# KiCad board Eclipse65.kicad_pcb (continued)
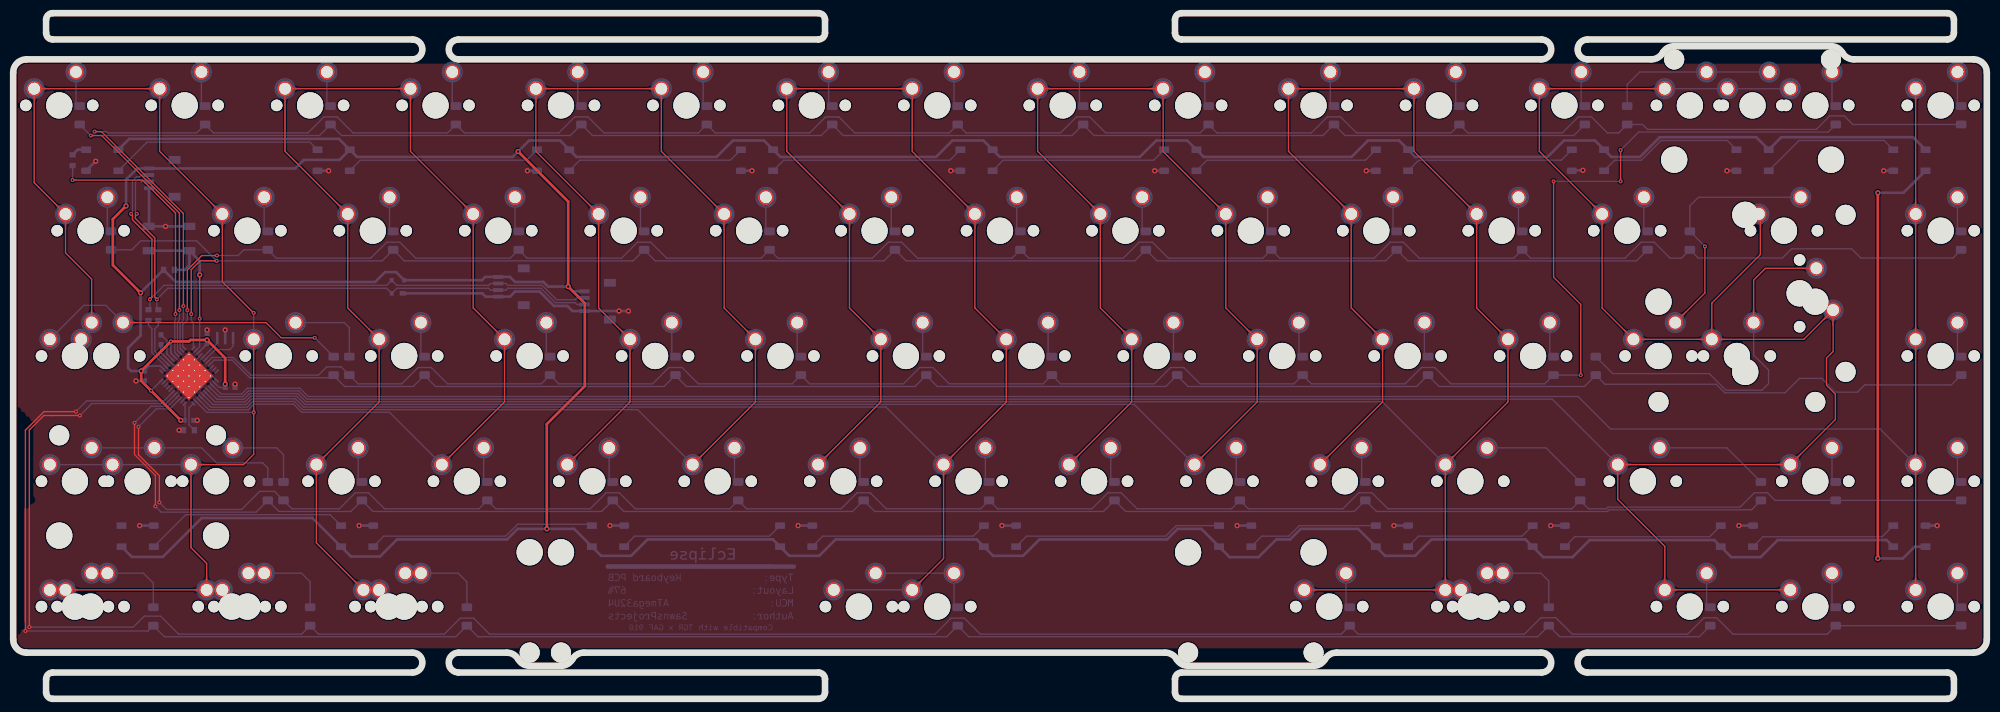
[diagram p0: board, top side]
## Copper pours and planes (outline as drawn; the poured copper is in the pictures) (continued)
Net-(D14-Pad2) on Bottom: 245.03,91.31 244.59,90.39 245.13,89.82 245.67,90.39 245.23,91.31
Net-(D14-Pad2) on Bottom: 260.38,95.4 260.24,95.41 260.12,95.42 260,95.43 259.89,95.44 259.78,95.47 259.69,95.49 259.6,95.52 259.51,95.55 259.43,95.59 259.36,95.63 259.29,95.67 259.22,95.72 259.15,95.77 259.09,95.82 259.03,95.87 258.97,95.92 258.66,96.21 258.59,96.27 258.52,96.33 258.45,96.39 258.37,96.45 258.28,96.51 258.2,96.57 258.1,96.63 258,96.69 257.89,96.74 256.39,95.3 257.89,93.86 258,93.92 258.1,93.98 258.2,94.04 258.28,94.1 258.37,94.16 258.45,94.22 258.52,94.28 258.59,94.34 258.66,94.4 258.97,94.69 259.03,94.74 259.09,94.79 259.15,94.84 259.22,94.89 259.29,94.94 259.36,94.98 259.43,95.02 259.51,95.06 259.6,95.09 259.69,95.12 259.78,95.14 259.89,95.17 260,95.18 260.12,95.19 260.24,95.2 260.38,95.2
Net-(D14-Pad2) on Bottom: 259.58,95.4 259.48,95.41 259.38,95.41 259.29,95.42 259.21,95.43 259.13,95.45 259.06,95.47 258.99,95.49 258.93,95.51 258.87,95.54 258.82,95.57 258.76,95.6 258.71,95.63 258.66,95.67 258.61,95.7 258.19,96.08 258.13,96.13 258.07,96.17 258.01,96.21 257.94,96.26 257.87,96.3 257.79,96.34 257.71,96.38 256.59,95.3 257.71,94.22 257.79,94.27 257.87,94.31 257.94,94.35 258.01,94.4 258.07,94.44 258.13,94.48 258.19,94.53 258.61,94.91 258.66,94.94 258.71,94.98 258.76,95.01 258.82,95.04 258.87,95.07 258.93,95.1 258.99,95.12 259.06,95.14 259.13,95.16 259.21,95.18 259.29,95.19 259.38,95.2 259.48,95.2 259.58,95.2
Net-(D14-Pad2) on Bottom: 264.33,95.2 264.43,95.2 264.52,95.2 264.61,95.19 264.69,95.18 264.77,95.16 264.84,95.14 264.91,95.12 264.97,95.1 265.03,95.07 265.09,95.04 265.14,95.01 265.19,94.98 265.24,94.94 265.29,94.91 265.72,94.53 265.77,94.48 265.83,94.44 265.9,94.4 265.96,94.35 266.03,94.31 266.11,94.27 266.19,94.22 267.32,95.3 266.19,96.38 266.11,96.34 266.03,96.3 265.96,96.26 265.9,96.21 265.83,96.17 265.77,96.13 265.72,96.08 265.29,95.7 265.24,95.67 265.19,95.63 265.14,95.6 265.09,95.57 265.03,95.54 264.97,95.51 264.91,95.49 264.84,95.47 264.77,95.45 264.69,95.43 264.61,95.42 264.52,95.41 264.43,95.41 264.33,95.4
Net-(D14-Pad2) on Bottom: 263.53,95.2 263.66,95.2 263.79,95.19 263.91,95.18 264.02,95.17 264.12,95.14 264.22,95.12 264.31,95.09 264.39,95.06 264.47,95.02 264.55,94.98 264.62,94.94 264.69,94.89 264.75,94.84 264.81,94.79 264.88,94.74 264.94,94.69 265.24,94.4 265.31,94.34 265.38,94.28 265.46,94.22 265.54,94.16 265.62,94.1 265.71,94.04 265.81,93.98 265.91,93.92 266.02,93.86 267.52,95.3 266.02,96.74 265.91,96.69 265.81,96.63 265.71,96.57 265.62,96.51 265.54,96.45 265.46,96.39 265.38,96.33 265.31,96.27 265.24,96.21 264.94,95.92 264.88,95.87 264.81,95.82 264.75,95.77 264.69,95.72 264.62,95.67 264.55,95.63 264.47,95.59 264.39,95.55 264.31,95.52 264.22,95.49 264.12,95.47 264.02,95.44 263.91,95.43 263.79,95.42 263.66,95.41 263.53,95.4
Net-(D15-Pad2) on Bottom: 276.34,92.11 276.34,92.25 276.35,92.38 276.36,92.5 276.38,92.61 276.4,92.71 276.43,92.81 276.46,92.9 276.49,92.98 276.53,93.06 276.56,93.14 276.61,93.21 276.65,93.28 276.7,93.34 276.75,93.4 276.8,93.47 276.86,93.53 277.15,93.83 277.21,93.9 277.27,93.97 277.33,94.05 277.39,94.13 277.45,94.21 277.51,94.3 277.57,94.4 277.62,94.5 277.68,94.61 276.24,96.1 274.8,94.61 274.86,94.5 274.91,94.4 274.97,94.3 275.03,94.21 275.09,94.13 275.15,94.05 275.21,93.97 275.27,93.9 275.33,93.83 275.62,93.53 275.68,93.47 275.73,93.4 275.78,93.34 275.83,93.28 275.87,93.21 275.92,93.14 275.95,93.06 275.99,92.98 276.02,92.9 276.05,92.81 276.08,92.71 276.1,92.61 276.12,92.5 276.13,92.38 276.14,92.25 276.14,92.11
Net-(D15-Pad2) on Bottom: 276.34,92.91 276.34,93.02 276.35,93.11 276.36,93.2 276.37,93.28 276.38,93.36 276.4,93.43 276.42,93.5 276.45,93.56 276.47,93.62 276.5,93.68 276.53,93.73 276.57,93.78 276.6,93.83 276.64,93.88 277.02,94.31 277.06,94.36 277.11,94.42 277.15,94.49 277.19,94.55 277.24,94.62 277.28,94.7 277.32,94.78 276.24,95.9 275.16,94.78 275.2,94.7 275.24,94.62 275.29,94.55 275.33,94.49 275.37,94.42 275.42,94.36 275.46,94.31 275.84,93.88 275.88,93.83 275.91,93.78 275.95,93.73 275.98,93.68 276.01,93.62 276.03,93.56 276.06,93.5 276.08,93.43 276.1,93.36 276.11,93.28 276.12,93.2 276.13,93.11 276.14,93.02 276.14,92.91
Net-(D16-Pad2) on Bottom: 202.52,15.91 202.52,16.05 202.53,16.18 202.54,16.3 202.56,16.41 202.58,16.51 202.61,16.61 202.64,16.7 202.67,16.78 202.71,16.86 202.75,16.94 202.79,17.01 202.83,17.08 202.88,17.14 202.93,17.2 202.98,17.27 203.04,17.33 203.33,17.63 203.39,17.7 203.45,17.77 203.51,17.85 203.57,17.93 203.63,18.01 203.69,18.1 203.75,18.2 203.81,18.3 203.86,18.41 202.42,19.9 200.98,18.41 201.04,18.3 201.09,18.2 201.15,18.1 201.21,18.01 201.27,17.93 201.33,17.85 201.39,17.77 201.45,17.7 201.51,17.63 201.8,17.33 201.86,17.27 201.91,17.2 201.96,17.14 202.01,17.08 202.05,17.01 202.1,16.94 202.14,16.86 202.17,16.78 202.21,16.7 202.23,16.61 202.26,16.51 202.28,16.41 202.3,16.3 202.31,16.18 202.32,16.05 202.32,15.91
Net-(D16-Pad2) on Bottom: 202.52,16.71 202.52,16.82 202.53,16.91 202.54,17 202.55,17.08 202.57,17.16 202.58,17.23 202.61,17.3 202.63,17.36 202.66,17.42 202.68,17.48 202.72,17.53 202.75,17.58 202.78,17.63 202.82,17.68 203.2,18.11 203.24,18.16 203.29,18.22 203.33,18.29 203.37,18.35 203.42,18.42 203.46,18.5 203.5,18.58 202.42,19.7 201.34,18.58 201.38,18.5 201.43,18.42 201.47,18.35 201.51,18.29 201.56,18.22 201.6,18.16 201.64,18.11 202.02,17.68 202.06,17.63 202.09,17.58 202.13,17.53 202.16,17.48 202.19,17.42 202.21,17.36 202.24,17.3 202.26,17.23 202.28,17.16 202.29,17.08 202.3,17 202.31,16.91 202.32,16.82 202.32,16.71
Net-(D17-Pad2) on Bottom: 14.4,73.06 14.41,73.2 14.41,73.33 14.43,73.45 14.44,73.56 14.46,73.66 14.49,73.76 14.52,73.85 14.55,73.93 14.59,74.01 14.63,74.09 14.67,74.16 14.72,74.23 14.76,74.29 14.81,74.35 14.87,74.42 14.92,74.48 15.21,74.78 15.27,74.85 15.33,74.92 15.39,75 15.45,75.08 15.51,75.16 15.57,75.25 15.63,75.35 15.69,75.45 15.74,75.56 14.3,77.05 12.86,75.56 12.92,75.45 12.98,75.35 13.03,75.25 13.09,75.16 13.15,75.08 13.21,75 13.27,74.92 13.33,74.85 13.39,74.78 13.69,74.48 13.74,74.42 13.79,74.35 13.84,74.29 13.89,74.23 13.93,74.16 13.98,74.09 14.02,74.01 14.05,73.93 14.09,73.85 14.12,73.76 14.14,73.66 14.16,73.56 14.18,73.45 14.19,73.33 14.2,73.2 14.2,73.06
Net-(D17-Pad2) on Bottom: 14.4,73.86 14.4,73.97 14.41,74.06 14.42,74.15 14.43,74.23 14.45,74.31 14.47,74.38 14.49,74.45 14.51,74.51 14.54,74.57 14.57,74.63 14.6,74.68 14.63,74.73 14.66,74.78 14.7,74.83 15.08,75.26 15.12,75.31 15.17,75.37 15.21,75.44 15.26,75.5 15.3,75.57 15.34,75.65 15.38,75.73 14.3,76.85 13.22,75.73 13.26,75.65 13.31,75.57 13.35,75.5 13.39,75.44 13.44,75.37 13.48,75.31 13.53,75.26 13.9,74.83 13.94,74.78 13.98,74.73 14.01,74.68 14.04,74.63 14.07,74.57 14.09,74.51 14.12,74.45 14.14,74.38 14.16,74.31 14.17,74.23 14.19,74.15 14.2,74.06 14.2,73.97 14.2,73.86
Net-(D18-Pad2) on Bottom: 38.22,73.06 38.22,73.2 38.23,73.33 38.24,73.45 38.25,73.56 38.28,73.66 38.3,73.76 38.33,73.85 38.36,73.93 38.4,74.01 38.44,74.09 38.48,74.16 38.53,74.23 38.58,74.29 38.63,74.35 38.68,74.42 38.73,74.48 39.02,74.78 39.08,74.85 39.14,74.92 39.2,75 39.26,75.08 39.32,75.16 39.38,75.25 39.44,75.35 39.5,75.45 39.56,75.56 38.12,77.05 36.68,75.56 36.73,75.45 36.79,75.35 36.85,75.25 36.91,75.16 36.97,75.08 37.03,75 37.09,74.92 37.15,74.85 37.21,74.78 37.5,74.48 37.55,74.42 37.6,74.35 37.65,74.29 37.7,74.23 37.75,74.16 37.79,74.09 37.83,74.01 37.87,73.93 37.9,73.85 37.93,73.76 37.95,73.66 37.98,73.56 37.99,73.45 38,73.33 38.01,73.2 38.02,73.06
Net-(D18-Pad2) on Bottom: 38.22,73.86 38.22,73.97 38.22,74.06 38.23,74.15 38.24,74.23 38.26,74.31 38.28,74.38 38.3,74.45 38.32,74.51 38.35,74.57 38.38,74.63 38.41,74.68 38.44,74.73 38.48,74.78 38.51,74.83 38.89,75.26 38.94,75.31 38.98,75.37 39.02,75.44 39.07,75.5 39.11,75.57 39.15,75.65 39.2,75.73 38.12,76.85 37.04,75.73 37.08,75.65 37.12,75.57 37.16,75.5 37.21,75.44 37.25,75.37 37.29,75.31 37.34,75.26 37.72,74.83 37.75,74.78 37.79,74.73 37.82,74.68 37.85,74.63 37.88,74.57 37.91,74.51 37.93,74.45 37.95,74.38 37.97,74.31 37.99,74.23 38,74.15 38.01,74.06 38.01,73.97 38.02,73.86
Net-(D19-Pad2) on Bottom: 57.27,73.06 57.27,73.2 57.28,73.33 57.29,73.45 57.3,73.56 57.33,73.66 57.35,73.76 57.38,73.85 57.41,73.93 57.45,74.01 57.49,74.09 57.53,74.16 57.58,74.23 57.63,74.29 57.68,74.35 57.73,74.42 57.78,74.48 58.07,74.78 58.13,74.85 58.19,74.92 58.25,75 58.31,75.08 58.37,75.16 58.43,75.25 58.49,75.35 58.55,75.45 58.61,75.56 57.17,77.05 55.73,75.56 55.78,75.45 55.84,75.35 55.9,75.25 55.96,75.16 56.02,75.08 56.08,75 56.14,74.92 56.2,74.85 56.26,74.78 56.55,74.48 56.6,74.42 56.65,74.35 56.7,74.29 56.75,74.23 56.8,74.16 56.84,74.09 56.88,74.01 56.92,73.93 56.95,73.85 56.98,73.76 57,73.66 57.03,73.56 57.04,73.45 57.05,73.33 57.06,73.2 57.07,73.06
Net-(D19-Pad2) on Bottom: 57.27,73.86 57.27,73.97 57.27,74.06 57.28,74.15 57.29,74.23 57.31,74.31 57.33,74.38 57.35,74.45 57.37,74.51 57.4,74.57 57.43,74.63 57.46,74.68 57.49,74.73 57.53,74.78 57.56,74.83 57.94,75.26 57.99,75.31 58.03,75.37 58.07,75.44 58.12,75.5 58.16,75.57 58.2,75.65 58.25,75.73 57.17,76.85 56.09,75.73 56.13,75.65 56.17,75.57 56.21,75.5 56.26,75.44 56.3,75.37 56.34,75.31 56.39,75.26 56.77,74.83 56.8,74.78 56.84,74.73 56.87,74.68 56.9,74.63 56.93,74.57 56.96,74.51 56.98,74.45 57,74.38 57.02,74.31 57.04,74.23 57.05,74.15 57.06,74.06 57.06,73.97 57.07,73.86
Net-(D20-Pad2) on Bottom: 76.32,73.06 76.32,73.2 76.33,73.33 76.34,73.45 76.35,73.56 76.38,73.66 76.4,73.76 76.43,73.85 76.46,73.93 76.5,74.01 76.54,74.09 76.58,74.16 76.63,74.23 76.68,74.29 76.73,74.35 76.78,74.42 76.83,74.48 77.12,74.78 77.18,74.85 77.24,74.92 77.3,75 77.36,75.08 77.42,75.16 77.48,75.25 77.54,75.35 77.6,75.45 77.66,75.56 76.22,77.05 74.78,75.56 74.83,75.45 74.89,75.35 74.95,75.25 75.01,75.16 75.07,75.08 75.13,75 75.19,74.92 75.25,74.85 75.31,74.78 75.6,74.48 75.65,74.42 75.7,74.35 75.75,74.29 75.8,74.23 75.85,74.16 75.89,74.09 75.93,74.01 75.97,73.93 76,73.85 76.03,73.76 76.05,73.66 76.08,73.56 76.09,73.45 76.1,73.33 76.11,73.2 76.12,73.06
Net-(D20-Pad2) on Bottom: 76.32,73.86 76.32,73.97 76.32,74.06 76.33,74.15 76.34,74.23 76.36,74.31 76.38,74.38 76.4,74.45 76.42,74.51 76.45,74.57 76.48,74.63 76.51,74.68 76.54,74.73 76.58,74.78 76.61,74.83 76.99,75.26 77.04,75.31 77.08,75.37 77.12,75.44 77.17,75.5 77.21,75.57 77.25,75.65 77.3,75.73 76.22,76.85 75.14,75.73 75.18,75.65 75.22,75.57 75.26,75.5 75.31,75.44 75.35,75.37 75.39,75.31 75.44,75.26 75.82,74.83 75.85,74.78 75.89,74.73 75.92,74.68 75.95,74.63 75.98,74.57 76.01,74.51 76.03,74.45 76.05,74.38 76.07,74.31 76.09,74.23 76.1,74.15 76.11,74.06 76.11,73.97 76.12,73.86
Net-(D21-Pad2) on Bottom: 95.37,73.06 95.37,73.2 95.38,73.33 95.39,73.45 95.4,73.56 95.43,73.66 95.45,73.76 95.48,73.85 95.51,73.93 95.55,74.01 95.59,74.09 95.63,74.16 95.68,74.23 95.73,74.29 95.78,74.35 95.83,74.42 95.88,74.48 96.17,74.78 96.23,74.85 96.29,74.92 96.35,75 96.41,75.08 96.47,75.16 96.53,75.25 96.59,75.35 96.65,75.45 96.71,75.56 95.27,77.05 93.83,75.56 93.88,75.45 93.94,75.35 94,75.25 94.06,75.16 94.12,75.08 94.18,75 94.24,74.92 94.3,74.85 94.36,74.78 94.65,74.48 94.7,74.42 94.75,74.35 94.8,74.29 94.85,74.23 94.9,74.16 94.94,74.09 94.98,74.01 95.02,73.93 95.05,73.85 95.08,73.76 95.1,73.66 95.13,73.56 95.14,73.45 95.15,73.33 95.16,73.2 95.17,73.06
Net-(D21-Pad2) on Bottom: 95.37,73.86 95.37,73.97 95.37,74.06 95.38,74.15 95.39,74.23 95.41,74.31 95.43,74.38 95.45,74.45 95.47,74.51 95.5,74.57 95.53,74.63 95.56,74.68 95.59,74.73 95.63,74.78 95.66,74.83 96.04,75.26 96.09,75.31 96.13,75.37 96.17,75.44 96.22,75.5 96.26,75.57 96.3,75.65 96.35,75.73 95.27,76.85 94.19,75.73 94.23,75.65 94.27,75.57 94.31,75.5 94.36,75.44 94.4,75.37 94.44,75.31 94.49,75.26 94.87,74.83 94.9,74.78 94.94,74.73 94.97,74.68 95,74.63 95.03,74.57 95.06,74.51 95.08,74.45 95.1,74.38 95.12,74.31 95.14,74.23 95.15,74.15 95.16,74.06 95.16,73.97 95.17,73.86
Net-(D22-Pad2) on Bottom: 114.42,73.06 114.42,73.2 114.43,73.33 114.44,73.45 114.45,73.56 114.48,73.66 114.5,73.76 114.53,73.85 114.56,73.93 114.6,74.01 114.64,74.09 114.68,74.16 114.73,74.23 114.78,74.29 114.83,74.35 114.88,74.42 114.93,74.48 115.22,74.78 115.28,74.85 115.34,74.92 115.4,75 115.46,75.08 115.52,75.16 115.58,75.25 115.64,75.35 115.7,75.45 115.76,75.56 114.32,77.05 112.88,75.56 112.93,75.45 112.99,75.35 113.05,75.25 113.11,75.16 113.17,75.08 113.23,75 113.29,74.92 113.35,74.85 113.41,74.78 113.7,74.48 113.75,74.42 113.8,74.35 113.85,74.29 113.9,74.23 113.95,74.16 113.99,74.09 114.03,74.01 114.07,73.93 114.1,73.85 114.13,73.76 114.15,73.66 114.18,73.56 114.19,73.45 114.2,73.33 114.21,73.2 114.22,73.06
Net-(D22-Pad2) on Bottom: 114.42,73.86 114.42,73.97 114.42,74.06 114.43,74.15 114.44,74.23 114.46,74.31 114.48,74.38 114.5,74.45 114.52,74.51 114.55,74.57 114.58,74.63 114.61,74.68 114.64,74.73 114.68,74.78 114.71,74.83 115.09,75.26 115.14,75.31 115.18,75.37 115.22,75.44 115.27,75.5 115.31,75.57 115.35,75.65 115.4,75.73 114.32,76.85 113.24,75.73 113.28,75.65 113.32,75.57 113.36,75.5 113.41,75.44 113.45,75.37 113.49,75.31 113.54,75.26 113.92,74.83 113.95,74.78 113.99,74.73 114.02,74.68 114.05,74.63 114.08,74.57 114.11,74.51 114.13,74.45 114.15,74.38 114.17,74.31 114.19,74.23 114.2,74.15 114.21,74.06 114.21,73.97 114.22,73.86
Net-(D23-Pad2) on Bottom: 133.47,73.06 133.47,73.2 133.48,73.33 133.49,73.45 133.5,73.56 133.53,73.66 133.55,73.76 133.58,73.85 133.61,73.93 133.65,74.01 133.69,74.09 133.73,74.16 133.78,74.23 133.83,74.29 133.88,74.35 133.93,74.42 133.98,74.48 134.27,74.78 134.33,74.85 134.39,74.92 134.45,75 134.51,75.08 134.57,75.16 134.63,75.25 134.69,75.35 134.75,75.45 134.81,75.56 133.37,77.05 131.93,75.56 131.98,75.45 132.04,75.35 132.1,75.25 132.16,75.16 132.22,75.08 132.28,75 132.34,74.92 132.4,74.85 132.46,74.78 132.75,74.48 132.8,74.42 132.85,74.35 132.9,74.29 132.95,74.23 133,74.16 133.04,74.09 133.08,74.01 133.12,73.93 133.15,73.85 133.18,73.76 133.2,73.66 133.23,73.56 133.24,73.45 133.25,73.33 133.26,73.2 133.27,73.06
Net-(D23-Pad2) on Bottom: 133.47,73.86 133.47,73.97 133.47,74.06 133.48,74.15 133.49,74.23 133.51,74.31 133.53,74.38 133.55,74.45 133.57,74.51 133.6,74.57 133.63,74.63 133.66,74.68 133.69,74.73 133.73,74.78 133.76,74.83 134.14,75.26 134.19,75.31 134.23,75.37 134.27,75.44 134.32,75.5 134.36,75.57 134.4,75.65 134.45,75.73 133.37,76.85 132.29,75.73 132.33,75.65 132.37,75.57 132.41,75.5 132.46,75.44 132.5,75.37 132.54,75.31 132.59,75.26 132.97,74.83 133,74.78 133.04,74.73 133.07,74.68 133.1,74.63 133.13,74.57 133.16,74.51 133.18,74.45 133.2,74.38 133.22,74.31 133.24,74.23 133.25,74.15 133.26,74.06 133.26,73.97 133.27,73.86
Net-(D24-Pad2) on Bottom: 152.52,73.06 152.52,73.2 152.53,73.33 152.54,73.45 152.55,73.56 152.58,73.66 152.6,73.76 152.63,73.85 152.66,73.93 152.7,74.01 152.74,74.09 152.78,74.16 152.83,74.23 152.88,74.29 152.93,74.35 152.98,74.42 153.03,74.48 153.32,74.78 153.38,74.85 153.44,74.92 153.5,75 153.56,75.08 153.62,75.16 153.68,75.25 153.74,75.35 153.8,75.45 153.86,75.56 152.42,77.05 150.98,75.56 151.03,75.45 151.09,75.35 151.15,75.25 151.21,75.16 151.27,75.08 151.33,75 151.39,74.92 151.45,74.85 151.51,74.78 151.8,74.48 151.85,74.42 151.9,74.35 151.95,74.29 152,74.23 152.05,74.16 152.09,74.09 152.13,74.01 152.17,73.93 152.2,73.85 152.23,73.76 152.25,73.66 152.28,73.56 152.29,73.45 152.3,73.33 152.31,73.2 152.32,73.06
Net-(D24-Pad2) on Bottom: 152.52,73.86 152.52,73.97 152.52,74.06 152.53,74.15 152.54,74.23 152.56,74.31 152.58,74.38 152.6,74.45 152.62,74.51 152.65,74.57 152.68,74.63 152.71,74.68 152.74,74.73 152.78,74.78 152.81,74.83 153.19,75.26 153.24,75.31 153.28,75.37 153.32,75.44 153.37,75.5 153.41,75.57 153.45,75.65 153.5,75.73 152.42,76.85 151.34,75.73 151.38,75.65 151.42,75.57 151.46,75.5 151.51,75.44 151.55,75.37 151.59,75.31 151.64,75.26 152.02,74.83 152.05,74.78 152.09,74.73 152.12,74.68 152.15,74.63 152.18,74.57 152.21,74.51 152.23,74.45 152.25,74.38 152.27,74.31 152.29,74.23 152.3,74.15 152.31,74.06 152.31,73.97 152.32,73.86
Net-(D25-Pad2) on Bottom: 171.57,73.06 171.57,73.2 171.58,73.33 171.59,73.45 171.6,73.56 171.63,73.66 171.65,73.76 171.68,73.85 171.71,73.93 171.75,74.01 171.79,74.09 171.83,74.16 171.88,74.23 171.93,74.29 171.98,74.35 172.03,74.42 172.08,74.48 172.37,74.78 172.43,74.85 172.49,74.92 172.55,75 172.61,75.08 172.67,75.16 172.73,75.25 172.79,75.35 172.85,75.45 172.91,75.56 171.47,77.05 170.03,75.56 170.08,75.45 170.14,75.35 170.2,75.25 170.26,75.16 170.32,75.08 170.38,75 170.44,74.92 170.5,74.85 170.56,74.78 170.85,74.48 170.9,74.42 170.95,74.35 171,74.29 171.05,74.23 171.1,74.16 171.14,74.09 171.18,74.01 171.22,73.93 171.25,73.85 171.28,73.76 171.3,73.66 171.33,73.56 171.34,73.45 171.35,73.33 171.36,73.2 171.37,73.06
Net-(D25-Pad2) on Bottom: 171.57,73.86 171.57,73.97 171.57,74.06 171.58,74.15 171.59,74.23 171.61,74.31 171.63,74.38 171.65,74.45 171.67,74.51 171.7,74.57 171.73,74.63 171.76,74.68 171.79,74.73 171.83,74.78 171.86,74.83 172.24,75.26 172.29,75.31 172.33,75.37 172.37,75.44 172.42,75.5 172.46,75.57 172.5,75.65 172.55,75.73 171.47,76.85 170.39,75.73 170.43,75.65 170.47,75.57 170.51,75.5 170.56,75.44 170.6,75.37 170.64,75.31 170.69,75.26 171.07,74.83 171.1,74.78 171.14,74.73 171.17,74.68 171.2,74.63 171.23,74.57 171.26,74.51 171.28,74.45 171.3,74.38 171.32,74.31 171.34,74.23 171.35,74.15 171.36,74.06 171.36,73.97 171.37,73.86
Net-(D26-Pad2) on Bottom: 190.62,73.06 190.62,73.2 190.63,73.33 190.64,73.45 190.65,73.56 190.68,73.66 190.7,73.76 190.73,73.85 190.76,73.93 190.8,74.01 190.84,74.09 190.88,74.16 190.93,74.23 190.98,74.29 191.03,74.35 191.08,74.42 191.13,74.48 191.42,74.78 191.48,74.85 191.54,74.92 191.6,75 191.66,75.08 191.72,75.16 191.78,75.25 191.84,75.35 191.9,75.45 191.96,75.56 190.52,77.05 189.08,75.56 189.13,75.45 189.19,75.35 189.25,75.25 189.31,75.16 189.37,75.08 189.43,75 189.49,74.92 189.55,74.85 189.61,74.78 189.9,74.48 189.95,74.42 190,74.35 190.05,74.29 190.1,74.23 190.15,74.16 190.19,74.09 190.23,74.01 190.27,73.93 190.3,73.85 190.33,73.76 190.35,73.66 190.38,73.56 190.39,73.45 190.4,73.33 190.41,73.2 190.42,73.06
Net-(D26-Pad2) on Bottom: 190.62,73.86 190.62,73.97 190.62,74.06 190.63,74.15 190.64,74.23 190.66,74.31 190.68,74.38 190.7,74.45 190.72,74.51 190.75,74.57 190.78,74.63 190.81,74.68 190.84,74.73 190.88,74.78 190.91,74.83 191.29,75.26 191.34,75.31 191.38,75.37 191.42,75.44 191.47,75.5 191.51,75.57 191.55,75.65 191.6,75.73 190.52,76.85 189.44,75.73 189.48,75.65 189.52,75.57 189.56,75.5 189.61,75.44 189.65,75.37 189.69,75.31 189.74,75.26 190.12,74.83 190.15,74.78 190.19,74.73 190.22,74.68 190.25,74.63 190.28,74.57 190.31,74.51 190.33,74.45 190.35,74.38 190.37,74.31 190.39,74.23 190.4,74.15 190.41,74.06 190.41,73.97 190.42,73.86
Net-(D27-Pad2) on Bottom: 209.67,73.06 209.67,73.2 209.68,73.33 209.69,73.45 209.7,73.56 209.73,73.66 209.75,73.76 209.78,73.85 209.81,73.93 209.85,74.01 209.89,74.09 209.93,74.16 209.98,74.23 210.03,74.29 210.08,74.35 210.13,74.42 210.18,74.48 210.47,74.78 210.53,74.85 210.59,74.92 210.65,75 210.71,75.08 210.77,75.16 210.83,75.25 210.89,75.35 210.95,75.45 211.01,75.56 209.57,77.05 208.13,75.56 208.18,75.45 208.24,75.35 208.3,75.25 208.36,75.16 208.42,75.08 208.48,75 208.54,74.92 208.6,74.85 208.66,74.78 208.95,74.48 209,74.42 209.05,74.35 209.1,74.29 209.15,74.23 209.2,74.16 209.24,74.09 209.28,74.01 209.32,73.93 209.35,73.85 209.38,73.76 209.4,73.66 209.43,73.56 209.44,73.45 209.45,73.33 209.46,73.2 209.47,73.06
Net-(D27-Pad2) on Bottom: 209.67,73.86 209.67,73.97 209.67,74.06 209.68,74.15 209.69,74.23 209.71,74.31 209.73,74.38 209.75,74.45 209.77,74.51 209.8,74.57 209.83,74.63 209.86,74.68 209.89,74.73 209.93,74.78 209.96,74.83 210.34,75.26 210.39,75.31 210.43,75.37 210.47,75.44 210.52,75.5 210.56,75.57 210.6,75.65 210.65,75.73 209.57,76.85 208.49,75.73 208.53,75.65 208.57,75.57 208.61,75.5 208.66,75.44 208.7,75.37 208.74,75.31 208.79,75.26 209.17,74.83 209.2,74.78 209.24,74.73 209.27,74.68 209.3,74.63 209.33,74.57 209.36,74.51 209.38,74.45 209.4,74.38 209.42,74.31 209.44,74.23 209.45,74.15 209.46,74.06 209.46,73.97 209.47,73.86
Net-(D28-Pad2) on Bottom: 228.72,73.06 228.72,73.2 228.73,73.33 228.74,73.45 228.75,73.56 228.78,73.66 228.8,73.76 228.83,73.85 228.86,73.93 228.9,74.01 228.94,74.09 228.98,74.16 229.03,74.23 229.08,74.29 229.13,74.35 229.18,74.42 229.23,74.48 229.52,74.78 229.58,74.85 229.64,74.92 229.7,75 229.76,75.08 229.82,75.16 229.88,75.25 229.94,75.35 230,75.45 230.06,75.56 228.62,77.05 227.18,75.56 227.23,75.45 227.29,75.35 227.35,75.25 227.41,75.16 227.47,75.08 227.53,75 227.59,74.92 227.65,74.85 227.71,74.78 228,74.48 228.05,74.42 228.1,74.35 228.15,74.29 228.2,74.23 228.25,74.16 228.29,74.09 228.33,74.01 228.37,73.93 228.4,73.85 228.43,73.76 228.45,73.66 228.48,73.56 228.49,73.45 228.5,73.33 228.51,73.2 228.52,73.06
Net-(D28-Pad2) on Bottom: 228.72,73.86 228.72,73.97 228.72,74.06 228.73,74.15 228.74,74.23 228.76,74.31 228.78,74.38 228.8,74.45 228.82,74.51 228.85,74.57 228.88,74.63 228.91,74.68 228.94,74.73 228.98,74.78 229.01,74.83 229.39,75.26 229.44,75.31 229.48,75.37 229.52,75.44 229.57,75.5 229.61,75.57 229.65,75.65 229.7,75.73 228.62,76.85 227.54,75.73 227.58,75.65 227.62,75.57 227.66,75.5 227.71,75.44 227.75,75.37 227.79,75.31 227.84,75.26 228.22,74.83 228.25,74.78 228.29,74.73 228.32,74.68 228.35,74.63 228.38,74.57 228.41,74.51 228.43,74.45 228.45,74.38 228.47,74.31 228.49,74.23 228.5,74.15 228.51,74.06 228.51,73.97 228.52,73.86
Net-(D29-Pad2) on Bottom: 247.77,73.06 247.77,73.2 247.78,73.33 247.79,73.45 247.8,73.56 247.83,73.66 247.85,73.76 247.88,73.85 247.91,73.93 247.95,74.01 247.99,74.09 248.03,74.16 248.08,74.23 248.13,74.29 248.18,74.35 248.23,74.42 248.28,74.48 248.57,74.78 248.63,74.85 248.69,74.92 248.75,75 248.81,75.08 248.87,75.16 248.93,75.25 248.99,75.35 249.05,75.45 249.11,75.56 247.67,77.05 246.23,75.56 246.28,75.45 246.34,75.35 246.4,75.25 246.46,75.16 246.52,75.08 246.58,75 246.64,74.92 246.7,74.85 246.76,74.78 247.05,74.48 247.1,74.42 247.15,74.35 247.2,74.29 247.25,74.23 247.3,74.16 247.34,74.09 247.38,74.01 247.42,73.93 247.45,73.85 247.48,73.76 247.5,73.66 247.53,73.56 247.54,73.45 247.55,73.33 247.56,73.2 247.57,73.06
Net-(D29-Pad2) on Bottom: 247.77,73.86 247.77,73.97 247.77,74.06 247.78,74.15 247.79,74.23 247.81,74.31 247.83,74.38 247.85,74.45 247.87,74.51 247.9,74.57 247.93,74.63 247.96,74.68 247.99,74.73 248.03,74.78 248.06,74.83 248.44,75.26 248.49,75.31 248.53,75.37 248.57,75.44 248.62,75.5 248.66,75.57 248.7,75.65 248.75,75.73 247.67,76.85 246.59,75.73 246.63,75.65 246.67,75.57 246.71,75.5 246.76,75.44 246.8,75.37 246.84,75.31 246.89,75.26 247.27,74.83 247.3,74.78 247.34,74.73 247.37,74.68 247.4,74.63 247.43,74.57 247.46,74.51 247.48,74.45 247.5,74.38 247.52,74.31 247.54,74.23 247.55,74.15 247.56,74.06 247.56,73.97 247.57,73.86
Net-(D30-Pad2) on Top: 254.05,58.97 253.97,58.89 253.9,58.83 253.83,58.78 253.77,58.73 253.7,58.68 253.64,58.64 253.57,58.61 253.51,58.58 253.45,58.56 253.39,58.54 253.33,58.52 253.27,58.51 253.21,58.5 253.15,58.49 252.58,58.46 252.51,58.45 252.44,58.44 252.36,58.43 252.29,58.41 252.2,58.39 252.12,58.37 252.03,58.34 252,56.78 253.56,56.81 253.59,56.9 253.61,56.98 253.63,57.06 253.65,57.14 253.66,57.22 253.67,57.29 253.68,57.36 253.72,57.93 253.72,57.99 253.73,58.05 253.75,58.11 253.76,58.17 253.78,58.23 253.81,58.29 253.83,58.35 253.87,58.41 253.9,58.48 253.95,58.54 254,58.61 254.05,58.68 254.12,58.75 254.19,58.82
Net-(D30-Pad2) on Bottom: 254.55,72.26 254.11,71.34 254.65,70.77 255.19,71.34 254.75,72.26
Net-(D30-Pad2) on Bottom: 269.09,76.15 269.19,76.15 269.28,76.15 269.37,76.14 269.46,76.13 269.53,76.11 269.61,76.09 269.67,76.07 269.74,76.05 269.8,76.02 269.85,75.99 269.91,75.96 269.96,75.93 270.01,75.89 270.05,75.86 270.48,75.48 270.54,75.43 270.6,75.39 270.66,75.35 270.73,75.3 270.8,75.26 270.87,75.22 270.95,75.17 272.08,76.25 270.95,77.33 270.87,77.29 270.8,77.25 270.73,77.21 270.66,77.16 270.6,77.12 270.54,77.08 270.48,77.03 270.05,76.65 270.01,76.62 269.96,76.58 269.91,76.55 269.85,76.52 269.8,76.49 269.74,76.46 269.67,76.44 269.61,76.42 269.53,76.4 269.46,76.38 269.37,76.37 269.28,76.36 269.19,76.36 269.09,76.35
Net-(D30-Pad2) on Bottom: 268.29,76.15 268.42,76.15 268.55,76.14 268.67,76.13 268.78,76.12 268.88,76.09 268.98,76.07 269.07,76.04 269.16,76.01 269.23,75.97 269.31,75.93 269.38,75.89 269.45,75.84 269.51,75.79 269.58,75.74 269.64,75.69 269.7,75.64 270.01,75.35 270.07,75.29 270.15,75.23 270.22,75.17 270.3,75.11 270.38,75.05 270.47,74.99 270.57,74.93 270.67,74.87 270.78,74.81 272.28,76.25 270.78,77.69 270.67,77.64 270.57,77.58 270.47,77.52 270.38,77.46 270.3,77.4 270.22,77.34 270.15,77.28 270.07,77.22 270.01,77.16 269.7,76.87 269.64,76.82 269.58,76.77 269.51,76.72 269.45,76.67 269.38,76.62 269.31,76.58 269.23,76.54 269.16,76.5 269.07,76.47 268.98,76.44 268.88,76.42 268.78,76.39 268.67,76.38 268.55,76.37 268.42,76.36 268.29,76.35
Net-(D30-Pad2) on Bottom: 255.56,70.3 255.22,71.27 254.44,71.29 254.45,70.51 255.42,70.16
Net-(D31-Pad2) on Bottom: 295.39,92.91 295.39,93.02 295.4,93.11 295.41,93.2 295.42,93.28 295.43,93.36 295.45,93.43 295.47,93.5 295.5,93.56 295.52,93.62 295.55,93.68 295.58,93.73 295.62,93.78 295.65,93.83 295.69,93.88 296.07,94.31 296.11,94.36 296.16,94.42 296.2,94.49 296.24,94.55 296.29,94.62 296.33,94.7 296.37,94.78 295.29,95.9 294.21,94.78 294.25,94.7 294.29,94.62 294.34,94.55 294.38,94.49 294.42,94.42 294.47,94.36 294.51,94.31 294.89,93.88 294.93,93.83 294.96,93.78 295,93.73 295.03,93.68 295.06,93.62 295.08,93.56 295.11,93.5 295.13,93.43 295.15,93.36 295.16,93.28 295.17,93.2 295.18,93.11 295.19,93.02 295.19,92.91
Net-(D31-Pad2) on Bottom: 295.39,92.11 295.39,92.25 295.4,92.38 295.41,92.5 295.43,92.61 295.45,92.71 295.48,92.81 295.51,92.9 295.54,92.98 295.58,93.06 295.61,93.14 295.66,93.21 295.7,93.28 295.75,93.34 295.8,93.4 295.85,93.47 295.91,93.53 296.2,93.83 296.26,93.9 296.32,93.97 296.38,94.05 296.44,94.13 296.5,94.21 296.56,94.3 296.62,94.4 296.67,94.5 296.73,94.61 295.29,96.1 293.85,94.61 293.91,94.5 293.96,94.4 294.02,94.3 294.08,94.21 294.14,94.13 294.2,94.05 294.26,93.97 294.32,93.9 294.38,93.83 294.67,93.53 294.73,93.47 294.78,93.4 294.83,93.34 294.88,93.28 294.92,93.21 294.97,93.14 295,93.06 295.04,92.98 295.07,92.9 295.1,92.81 295.13,92.71 295.15,92.61 295.17,92.5 295.18,92.38 295.19,92.25 295.19,92.11
